# Altium PCB SD²V1.2.PcbDoc (continued)
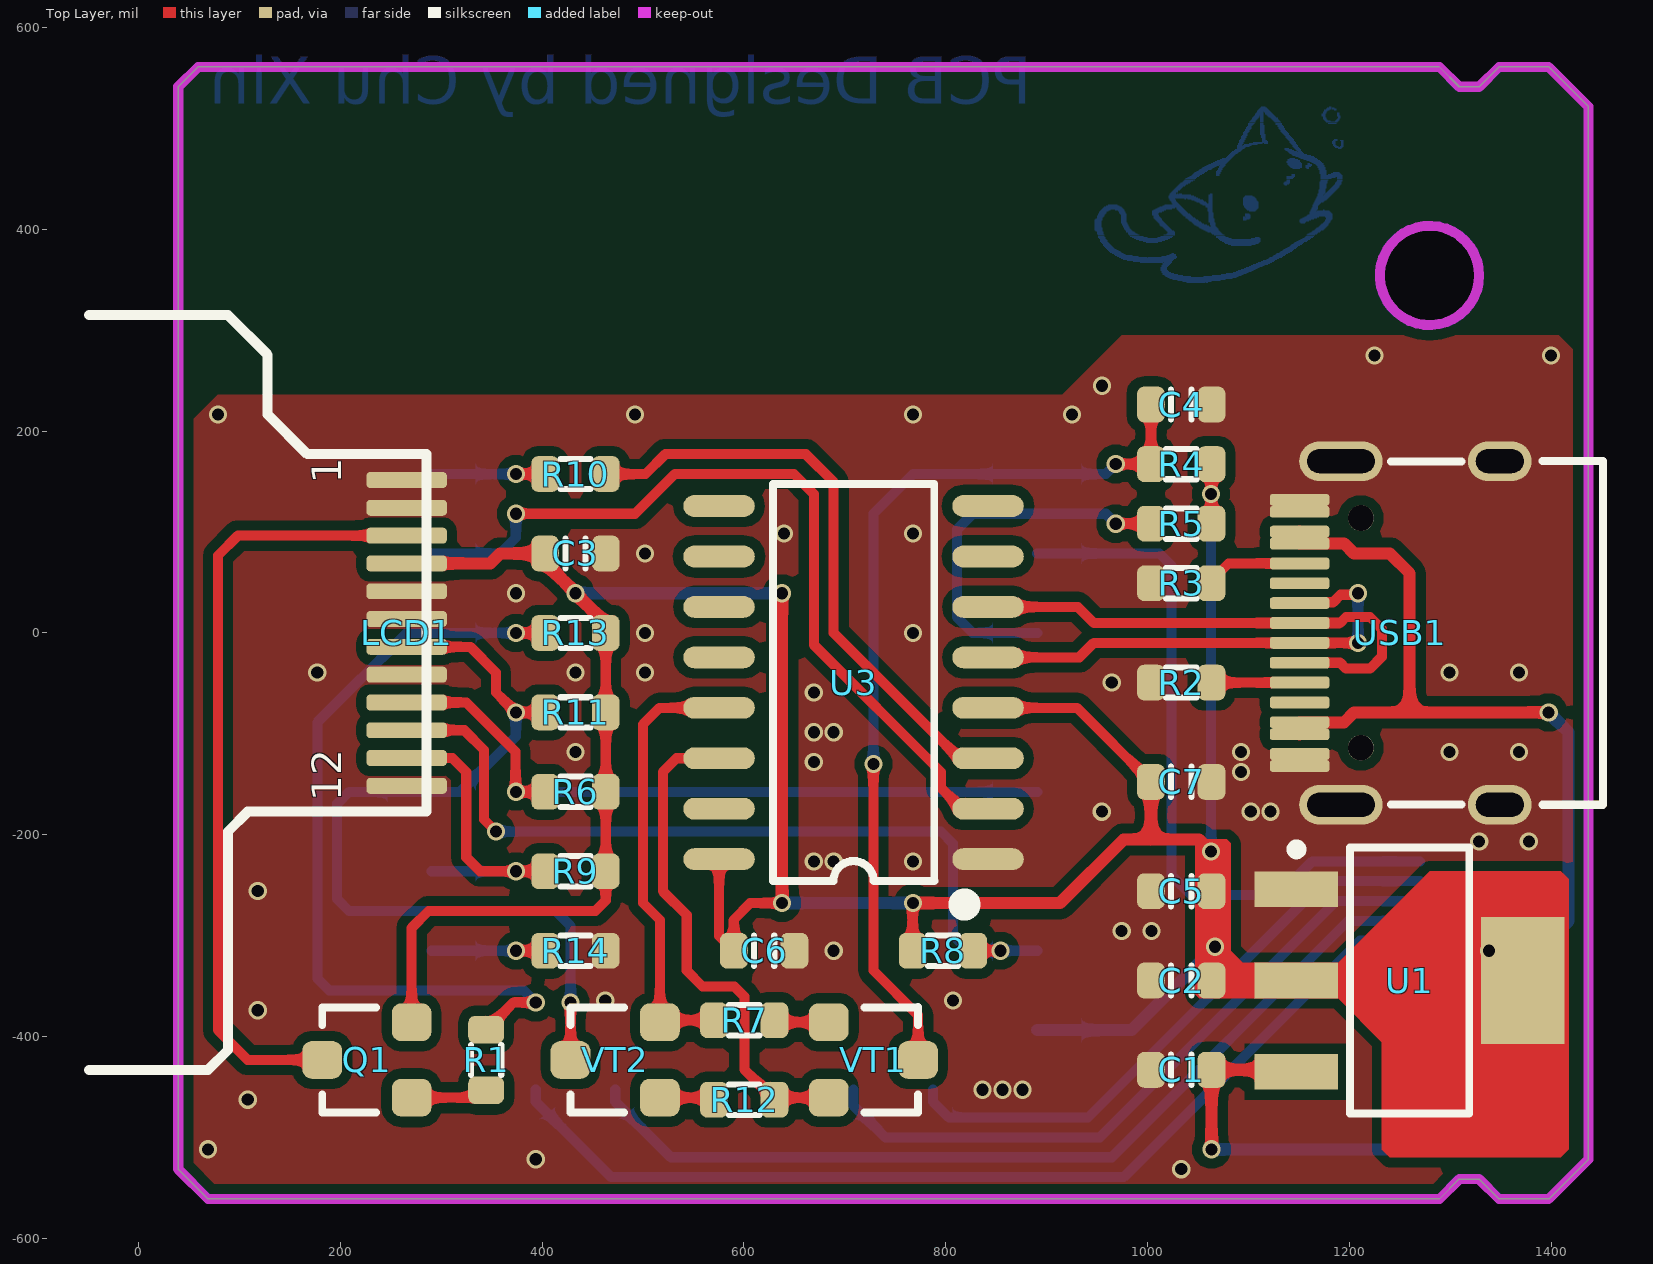
[diagram p0: Top Layer view]
## Nets (pads, with @x,y where several pads share a name; then routed paths per layer and width w, separated by ;. In a path a pad name is that pad's centre, name@x,y a point inside that pad or via, vN(x,y) a via of type N, cw(c..) or ccw(c..) an arc to the next point about the centre after c; other vN are vias at no path point) (continued)
TXD: R10.2 U2.22 | length 112.7
  Top Layer w10: v1(374.02,157.48) R10.2
  Bottom Layer w10: U2.22 v1(374.02,157.48)
USB_D+: U3.5 USB1.A6 USB1.B6 | length 483.8
  Top Layer w10: U3.5 932.48,-24.21 946.85,-9.84 USB1.A6 v1(1208.66,-9.84) ; USB1.B6 1151.69,30.43 1183.98,30.43 1191.38,37.84 1207.13,37.84 v1(1208.66,39.37)
  Bottom Layer w10: v1(1208.66,-9.84) v1(1208.66,39.37)
USB_D-: U3.6 USB1.A7 USB1.B7 | length 520.7
  Top Layer w10: U3.6 930.91,25.79 946.85,9.84 1190.94,9.84 1196.85,15.75 1220.47,15.75 1232.28,3.94 1232.28,-23.62 1220.47,-35.43 1196.85,-35.43 1190.94,-29.53 USB1.B7
VDD_5V: C1.2 P1.1 U1.3 USB1.A4 USB1.A9 USB1.B4 USB1.B9 | length 1480.2
  Top Layer w12: v1(1063.46,-511.81) C1.2 1145.67,-433.07 U1.3 ; USB1.A4 USB1.B9 1194.88,-88.58 1204.72,-78.74 1259.84,-78.74 ; USB1.A9 USB1.B4 1194.88,88.58 1204.72,78.74 1240.16,78.74 1259.84,59.06 1259.84,-78.74 ; v1(1397.64,-78.74) 1259.84,-78.74
  Bottom Layer w10: P1.1 1338.58,-364.17
  Bottom Layer w12: v1(1063.46,-511.81) 1279.53,-511.81 1338.58,-452.76 1338.58,-364.17 1417.32,-285.43 1417.32,-98.43 v1(1397.64,-78.74)
pads on no net: U3.7 U3.8 U3.9 U3.10 U3.11 U3.12 U3.15 USB1.0 USB1.A8 USB1.B8
copper on no net: | length 5808
  Bottom Layer w1: 947.96,399.41 954.96,399.41 ; 947.96,400.41 954.96,400.41 ; 947.96,401.41 954.96,401.41 ; 947.96,402.41 953.96,402.41 ; 947.96,403.41 953.96,403.41 ; 947.96,404.41 953.96,404.41 ; 947.96,405.41 953.96,405.41 ; 947.96,406.41 953.96,406.41 ; 947.96,407.41 953.96,407.41 ; 947.96,408.41 953.96,408.41 ; 947.96,409.41 954.96,409.41 ; 948.96,398.41 954.96,398.41 ; 948.96,410.41 954.96,410.41 ; 949.96,395.41 955.96,395.41 ; 949.96,396.41 955.96,396.41 ; 949.96,397.41 955.96,397.41 ; 949.96,411.41 954.96,411.41 ; 949.96,412.41 955.96,412.41 ; 949.96,413.41 956.96,413.41 ; 950.96,392.41 957.96,392.41 ; 950.96,393.41 956.96,393.41 ; 950.96,394.41 956.96,394.41 ; 950.96,414.41 956.96,414.41 ; 950.96,415.41 957.96,415.41 ; 951.96,391.41 957.96,391.41 ; 951.96,416.41 958.96,416.41 ; 951.96,417.41 958.96,417.41 ; 952.96,388.41 959.96,388.41 ; 952.96,389.41 959.96,389.41 ; 952.96,390.41 958.96,390.41 ; 952.96,418.41 960.96,418.41 ; 953.96,387.41 960.96,387.41 ; 953.96,419.41 962.96,419.41 ; 954.96,386.41 961.96,386.41 ; 954.96,420.41 975.96,420.41 ; 955.96,384.41 963.96,384.41 ; 955.96,385.41 962.96,385.41 ; 955.96,421.41 974.96,421.41 ; 956.96,383.41 964.96,383.41 ; 956.96,422.41 973.96,422.41 ; 957.96,382.41 965.96,382.41 ; 958.96,381.41 966.96,381.41 ; 958.96,423.41 971.96,423.41 ; 959.96,380.41 968.96,380.41 ; 960.96,379.41 970.96,379.41 ; 960.96,424.41 969.96,424.41 ; 961.96,378.41 972.96,378.41 ; 962.96,377.41 973.96,377.41 ; 964.96,376.41 975.96,376.41 ; 966.96,375.41 977.96,375.41 ; 967.96,374.41 984.96,374.41 ; 967.96,419.41 976.96,419.41 ; 969.96,373.41 990.96,373.41 ; 970.96,418.41 976.96,418.41 ; 971.96,372.41 999.96,372.41 ; 971.96,416.41 977.96,416.41 ; 971.96,417.41 977.96,417.41 ; 972.96,415.41 978.96,415.41 ; 973.96,371.41 1027.96,371.41 ; 973.96,406.41 979.96,406.41 ; 973.96,407.41 978.96,407.41 ; 973.96,408.41 978.96,408.41 ; 973.96,409.41 978.96,409.41 ; 973.96,410.41 978.96,410.41 ; 973.96,411.41 978.96,411.41 ; 973.96,412.41 978.96,412.41 ; 973.96,413.41 978.96,413.41 ; 973.96,414.41 978.96,414.41 ; 974.96,404.41 980.96,404.41 ; 974.96,405.41 979.96,405.41 ; 975.96,370.41 1025.96,370.41 ; 975.96,402.41 981.96,402.41 ; 975.96,403.41 980.96,403.41 ; 976.96,400.41 982.96,400.41 ; 976.96,401.41 981.96,401.41 ; 977.96,399.41 983.96,399.41 ; 978.96,397.41 986.96,397.41 ; 978.96,398.41 984.96,398.41 ; 979.96,369.41 1024.96,369.41 ; 980.96,395.41 989.96,395.41 ; 980.96,396.41 987.96,396.41 ; 981.96,394.41 991.96,394.41 ; 982.96,393.41 995.96,393.41 ; 984.96,392.41 999.96,392.41 ; 985.96,368.41 1023.96,368.41 ; 986.96,391.41 1021.96,391.41 ; 988.96,390.41 1019.96,390.41 ; 991.96,389.41 1016.96,389.41 ; 992.96,367.41 1014.96,367.41 ; 995.96,388.41 1013.96,388.41 ; 998.96,387.41 1009.96,387.41 ; 1000.96,372.41 1028.96,372.41 ; 1004.96,414.41 1010.96,414.41 ; 1004.96,415.41 1009.96,415.41 ; 1004.96,416.41 1010.96,416.41 ; 1004.96,417.41 1013.96,417.41 ; 1004.96,418.41 1015.96,418.41 ; 1005.96,411.41 1012.96,411.41 ; 1005.96,412.41 1011.96,412.41 ; 1005.96,413.41 1010.96,413.41 ; 1005.96,419.41 1017.96,419.41 ; 1006.96,410.41 1013.96,410.41 ; 1007.96,409.41 1013.96,409.41 ; 1007.96,420.41 1023.96,420.41 ; 1008.96,408.41 1014.96,408.41 ; 1009.96,392.41 1023.96,392.41 ; 1009.96,407.41 1015.96,407.41 ; 1009.96,421.41 1026.96,421.41 ; 1010.96,406.41 1016.96,406.41 ; 1011.96,404.41 1018.96,404.41 ; 1011.96,405.41 1017.96,405.41 ; 1011.96,422.41 1033.96,422.41 ; 1012.96,359.41 1019.96,359.41 ; 1012.96,360.41 1018.96,360.41 ; 1012.96,361.41 1018.96,361.41 ; 1012.96,362.41 1018.96,362.41 ; 1012.96,393.41 1024.96,393.41 ; 1012.96,403.41 1019.96,403.41 ; 1013.96,357.41 1022.96,357.41 ; 1013.96,358.41 1020.96,358.41 ; 1013.96,363.41 1019.96,363.41 ; 1013.96,364.41 1020.96,364.41 ; 1013.96,373.41 1028.96,373.41 ; 1014.96,355.41 1029.96,355.41 ; 1014.96,356.41 1025.96,356.41 ; 1014.96,365.41 1021.96,365.41 ; 1014.96,366.41 1022.96,366.41 ; 1014.96,402.41 1020.96,402.41 ; 1014.96,423.41 1032.96,423.41 ; 1015.96,367.41 1023.96,367.41 ; 1015.96,394.41 1026.96,394.41 ; 1015.96,401.41 1021.96,401.41 ; 1016.96,354.41 1034.96,354.41 ; 1016.96,400.41 1022.96,400.41 ; 1016.96,424.41 1031.96,424.41 ; 1017.96,353.41 1042.96,353.41 ; 1017.96,399.41 1023.96,399.41 ; 1018.96,374.41 1027.96,374.41 ; 1018.96,395.41 1026.96,395.41 ; 1018.96,398.41 1025.96,398.41 ; 1019.96,352.41 1087.96,352.41 ; 1019.96,396.41 1026.96,396.41 ; 1019.96,397.41 1026.96,397.41 ; 1020.96,431.41 1049.96,431.41 ; 1020.96,432.41 1047.96,432.41 ; 1020.96,433.41 1045.96,433.41 ; 1021.96,351.41 1083.96,351.41 ; 1021.96,375.41 1027.96,375.41 ; 1021.96,429.41 1027.96,429.41 ; 1021.96,430.41 1026.96,430.41 ; 1021.96,434.41 1042.96,434.41 ; 1021.96,435.41 1027.96,435.41 ; 1022.96,428.41 1027.96,428.41 ; 1022.96,436.41 1027.96,436.41 ; 1023.96,376.41 1025.96,376.41 ; 1023.96,426.41 1029.96,426.41 ; 1023.96,427.41 1028.96,427.41 ; 1023.96,437.41 1029.96,437.41 ; 1024.96,350.41 1076.96,350.41 ; 1024.96,425.41 1030.96,425.41 ; 1024.96,438.41 1029.96,438.41 ; 1025.96,439.41 1031.96,439.41 ; 1026.96,440.41 1032.96,440.41 ; 1027.96,441.41 1033.96,441.41 ; 1028.96,420.41 1035.96,420.41 ; 1028.96,421.41 1034.96,421.41 ; 1028.96,435.41 1029.96,435.41 ; 1028.96,442.41 1034.96,442.41 ; 1029.96,349.41 1071.96,349.41 ; 1029.96,419.41 1036.96,419.41 ; 1029.96,443.41 1036.96,443.41 ; 1030.96,418.41 1037.96,418.41 ; 1030.96,435.41 1033.96,435.41 ; 1030.96,444.41 1037.96,444.41 ; 1031.96,417.41 1038.96,417.41 ; 1031.96,445.41 1039.96,445.41 ; 1032.96,416.41 1039.96,416.41 ; 1032.96,446.41 1041.96,446.41 ; 1033.96,415.41 1041.96,415.41 ; 1034.96,348.41 1062.96,348.41 ; 1034.96,414.41 1042.96,414.41 ; 1034.96,447.41 1042.96,447.41 ; 1035.96,413.41 1043.96,413.41 ; 1035.96,448.41 1044.96,448.41 ; 1036.96,430.41 1037.96,430.41 ; 1036.96,449.41 1046.96,449.41 ; 1037.96,411.41 1046.96,411.41 ; 1037.96,412.41 1044.96,412.41 ; 1037.96,450.41 1047.96,450.41 ; 1038.96,347.41 1056.96,347.41 ; 1039.96,410.41 1047.96,410.41 ; 1039.96,430.41 1051.96,430.41 ; 1039.96,451.41 1048.96,451.41 ; 1040.96,409.41 1049.96,409.41 ; 1041.96,408.41 1050.96,408.41 ; 1041.96,452.41 1050.96,452.41 ; 1043.96,407.41 1052.96,407.41 ; 1043.96,429.41 1054.96,429.41 ; 1043.96,453.41 1051.96,453.41 ; 1044.96,406.41 1053.96,406.41 ; 1044.96,454.41 1053.96,454.41 ; 1045.96,405.41 1055.96,405.41 ; 1045.96,455.41 1055.96,455.41 ; 1046.96,404.41 1058.96,404.41 ; 1046.96,428.41 1055.96,428.41 ; 1046.96,456.41 1056.96,456.41 ; 1048.96,403.41 1060.96,403.41 ; 1048.96,427.41 1057.96,427.41 ; 1048.96,457.41 1058.96,457.41 ; 1050.96,402.41 1067.96,402.41 ; 1050.96,458.41 1059.96,458.41 ; 1051.96,401.41 1068.96,401.41 ; 1051.96,426.41 1058.96,426.41 ; 1051.96,459.41 1062.96,459.41 ; 1052.96,425.41 1063.96,425.41 ; 1053.96,400.41 1069.96,400.41 ; 1053.96,460.41 1063.96,460.41 ; 1054.96,424.41 1063.96,424.41 ; 1054.96,461.41 1065.96,461.41 ; 1055.96,353.41 1089.96,353.41 ; 1055.96,399.41 1069.96,399.41 ; 1056.96,462.41 1067.96,462.41 ; 1057.96,347.41 1059.96,347.41 ; 1057.96,398.41 1070.96,398.41 ; 1057.96,422.41 1063.96,422.41 ; 1057.96,423.41 1063.96,423.41 ; 1058.96,463.41 1070.96,463.41 ; 1059.96,397.41 1071.96,397.41 ; 1059.96,418.41 1063.96,418.41 ; 1059.96,419.41 1063.96,419.41 ; 1059.96,420.41 1063.96,420.41 ; 1059.96,421.41 1063.96,421.41 ; 1060.96,407.41 1065.96,407.41 ; 1060.96,408.41 1065.96,408.41 ; 1060.96,409.41 1065.96,409.41 ; 1060.96,410.41 1065.96,410.41 ; 1060.96,411.41 1064.96,411.41 ; 1060.96,412.41 1064.96,412.41 ; 1060.96,413.41 1064.96,413.41 ; 1060.96,414.41 1064.96,414.41 ; 1060.96,415.41 1064.96,415.41 ; 1060.96,416.41 1064.96,416.41 ; 1060.96,417.41 1063.96,417.41 ; 1060.96,426.41 1063.96,426.41 ; 1060.96,427.41 1063.96,427.41 ; 1060.96,428.41 1063.96,428.41 ; 1060.96,429.41 1063.96,429.41 ; 1060.96,430.41 1063.96,430.41 ; 1060.96,431.41 1063.96,431.41 ; 1060.96,432.41 1063.96,432.41 ; 1060.96,433.41 1063.96,433.41 ; 1060.96,434.41 1063.96,434.41 ; 1060.96,464.41 1076.96,464.41 ; 1061.96,404.41 1066.96,404.41 ; 1061.96,405.41 1066.96,405.41 ; 1061.96,406.41 1066.96,406.41 ; 1061.96,435.41 1063.96,435.41 ; 1062.96,396.41 1072.96,396.41 ; 1062.96,403.41 1066.96,403.41 ; 1062.96,465.41 1077.96,465.41 ; 1063.96,354.41 1092.96,354.41 ; 1063.96,395.41 1073.96,395.41 ; 1064.96,466.41 1078.96,466.41 ; 1065.96,394.41 1075.96,394.41 ; 1066.96,467.41 1079.96,467.41 ; 1067.96,392.41 1079.96,392.41 ; 1067.96,393.41 1076.96,393.41 ; 1067.96,453.41 1070.96,453.41 ; 1067.96,454.41 1070.96,454.41 ; 1067.96,455.41 1071.96,455.41 ; 1067.96,456.41 1071.96,456.41 ; 1067.96,457.41 1072.96,457.41 ; 1068.96,458.41 1072.96,458.41 ; 1068.96,468.41 1080.96,468.41 ; 1069.96,391.41 1082.96,391.41 ; 1069.96,459.41 1073.96,459.41 ; 1069.96,460.41 1073.96,460.41 ; 1070.96,390.41 1111.96,390.41 ; 1070.96,461.41 1074.96,461.41 ; 1070.96,462.41 1075.96,462.41 ; 1071.96,389.41 1111.96,389.41 ; 1071.96,463.41 1076.96,463.41 ; 1071.96,469.41 1081.96,469.41 ; 1072.96,355.41 1094.96,355.41 ; 1073.96,388.41 1111.96,388.41 ; 1073.96,470.41 1082.96,470.41 ; 1075.96,387.41 1110.96,387.41 ; 1076.96,386.41 1109.96,386.41 ; 1077.96,356.41 1097.96,356.41 ; 1077.96,471.41 1083.96,471.41 ; 1078.96,472.41 1084.96,472.41 ; 1079.96,385.41 1106.96,385.41 ; 1079.96,473.41 1085.96,473.41 ; 1080.96,474.41 1086.96,474.41 ; 1081.96,475.41 1088.96,475.41 ; 1082.96,384.41 1102.96,384.41 ; 1082.96,476.41 1089.96,476.41 ; 1083.96,477.41 1091.96,477.41 ; 1084.96,357.41 1099.96,357.41 ; 1085.96,478.41 1092.96,478.41 ; 1086.96,479.41 1093.96,479.41 ; 1087.96,358.41 1102.96,358.41 ; 1088.96,480.41 1095.96,480.41 ; 1088.96,481.41 1096.96,481.41 ; 1088.96,482.41 1100.96,482.41 ; 1088.96,483.41 1093.96,483.41 ; 1089.96,359.41 1104.96,359.41 ; 1089.96,484.41 1093.96,484.41 ; 1089.96,485.41 1094.96,485.41 ; 1090.96,486.41 1094.96,486.41 ; 1090.96,487.41 1095.96,487.41 ; 1090.96,488.41 1095.96,488.41 ; 1091.96,489.41 1096.96,489.41 ; 1092.96,360.41 1106.96,360.41 ; 1092.96,490.41 1096.96,490.41 ; 1092.96,491.41 1097.96,491.41 ; 1092.96,492.41 1097.96,492.41 ; 1093.96,493.41 1098.96,493.41 ; 1094.96,409.41 1097.96,409.41 ; 1094.96,410.41 1100.96,410.41 ; 1094.96,411.41 1101.96,411.41 ; 1094.96,412.41 1096.96,412.41 ; 1094.96,424.41 1109.96,424.41 ; 1094.96,425.41 1109.96,425.41 ; 1094.96,426.41 1109.96,426.41 ; 1094.96,427.41 1109.96,427.41 ; 1094.96,428.41 1108.96,428.41 ; 1094.96,429.41 1107.96,429.41 ; 1094.96,430.41 1107.96,430.41 ; 1094.96,431.41 1106.96,431.41 ; 1094.96,483.41 1102.96,483.41 ; 1094.96,494.41 1098.96,494.41 ; 1094.96,495.41 1098.96,495.41 ; 1094.96,496.41 1099.96,496.41 ; 1095.96,361.41 1108.96,361.41 ; 1095.96,422.41 1109.96,422.41 ; 1095.96,423.41 1109.96,423.41 ; 1095.96,432.41 1105.96,432.41 ; 1095.96,484.41 1108.96,484.41 ; 1095.96,497.41 1100.96,497.41 ; 1096.96,413.41 1101.96,413.41 ; 1096.96,414.41 1101.96,414.41 ; 1096.96,415.41 1100.96,415.41 ; 1096.96,421.41 1109.96,421.41 ; 1096.96,433.41 1103.96,433.41 ; 1096.96,498.41 1100.96,498.41 ; 1096.96,499.41 1101.96,499.41 ; 1097.96,362.41 1110.96,362.41 ; 1097.96,412.41 1101.96,412.41 ; 1097.96,420.41 1108.96,420.41 ; 1097.96,500.41 1102.96,500.41 ; 1097.96,501.41 1102.96,501.41 ; 1098.96,419.41 1107.96,419.41 ; 1098.96,502.41 1102.96,502.41 ; 1099.96,503.41 1103.96,503.41 ; 1099.96,504.41 1104.96,504.41 ; 1099.96,505.41 1105.96,505.41 ; 1100.96,363.41 1113.96,363.41 ; 1100.96,418.41 1106.96,418.41 ; 1100.96,485.41 1113.96,485.41 ; 1100.96,506.41 1106.96,506.41 ; 1101.96,507.41 1106.96,507.41 ; 1102.96,364.41 1115.96,364.41 ; 1102.96,391.41 1111.96,391.41 ; 1102.96,508.41 1107.96,508.41 ; 1103.96,509.41 1108.96,509.41 ; 1103.96,510.41 1109.96,510.41 ; 1104.96,365.41 1118.96,365.41 ; 1104.96,486.41 1118.96,486.41 ; 1104.96,511.41 1110.96,511.41 ; 1105.96,512.41 1110.96,512.41 ; 1106.96,392.41 1110.96,392.41 ; 1106.96,513.41 1114.96,513.41 ; 1106.96,514.41 1114.96,514.41 ; 1107.96,366.41 1120.96,366.41 ; 1107.96,515.41 1114.96,515.41 ; 1108.96,516.41 1114.96,516.41 ; 1108.96,517.41 1120.96,517.41 ; 1109.96,367.41 1122.96,367.41 ; 1109.96,518.41 1119.96,518.41 ; 1110.96,519.41 1118.96,519.41 ; 1111.96,494.41 1116.96,494.41 ; 1111.96,495.41 1115.96,495.41 ; 1111.96,496.41 1115.96,496.41 ; 1111.96,497.41 1115.96,497.41 ; 1111.96,498.41 1115.96,498.41 ; 1111.96,499.41 1115.96,499.41 ; 1111.96,500.41 1115.96,500.41 ; 1111.96,501.41 1115.96,501.41 ; 1111.96,502.41 1115.96,502.41 ; 1111.96,503.41 1115.96,503.41 ; 1111.96,504.41 1114.96,504.41 ; 1111.96,505.41 1114.96,505.41 ; 1111.96,506.41 1114.96,506.41 ; 1111.96,507.41 1114.96,507.41 ; 1111.96,508.41 1114.96,508.41 ; 1111.96,509.41 1114.96,509.41 ; 1111.96,510.41 1114.96,510.41 ; 1111.96,511.41 1114.96,511.41 ; 1111.96,512.41 1114.96,512.41 ; 1111.96,520.41 1117.96,520.41 ; 1112.96,368.41 1124.96,368.41 ; 1112.96,491.41 1116.96,491.41 ; 1112.96,492.41 1116.96,492.41 ; 1112.96,493.41 1116.96,493.41 ; 1112.96,521.41 1116.96,521.41 ; 1113.96,487.41 1118.96,487.41 ; 1113.96,488.41 1117.96,488.41 ; 1113.96,489.41 1116.96,489.41 ; 1113.96,490.41 1116.96,490.41 ; 1114.96,369.41 1125.96,369.41 ; 1115.96,485.41 1118.96,485.41 ; 1115.96,516.41 1121.96,516.41 ; 1116.96,514.41 1123.96,514.41 ; 1116.96,515.41 1122.96,515.41 ; 1117.96,370.41 1127.96,370.41 ; 1117.96,513.41 1124.96,513.41 ; 1118.96,512.41 1125.96,512.41 ; 1119.96,371.41 1129.96,371.41 ; 1119.96,511.41 1126.96,511.41 ; 1120.96,372.41 1132.96,372.41 ; 1121.96,510.41 1128.96,510.41 ; 1122.96,509.41 1128.96,509.41 ; 1123.96,373.41 1133.96,373.41 ; 1123.96,508.41 1129.96,508.41 ; 1124.96,374.41 1135.96,374.41 ; 1124.96,507.41 1130.96,507.41 ; 1125.96,506.41 1131.96,506.41 ; 1126.96,375.41 1136.96,375.41 ; 1126.96,504.41 1132.96,504.41 ; 1126.96,505.41 1132.96,505.41 ; 1127.96,376.41 1138.96,376.41 ; 1128.96,502.41 1134.96,502.41 ; 1128.96,503.41 1133.96,503.41 ; 1129.96,500.41 1135.96,500.41 ; 1129.96,501.41 1134.96,501.41 ; 1130.96,377.41 1140.96,377.41 ; 1130.96,499.41 1135.96,499.41 ; 1131.96,378.41 1142.96,378.41 ; 1131.96,497.41 1137.96,497.41 ; 1131.96,498.41 1136.96,498.41 ; 1132.96,496.41 1138.96,496.41 ; 1133.96,379.41 1143.96,379.41 ; 1133.96,495.41 1139.96,495.41 ; 1134.96,380.41 1144.96,380.41 ; 1134.96,445.41 1139.96,445.41 ; 1134.96,446.41 1140.96,446.41 ; 1134.96,494.41 1139.96,494.41 ; 1135.96,444.41 1137.96,444.41 ; 1135.96,447.41 1140.96,447.41 ; 1135.96,479.41 1142.96,479.41 ; 1135.96,480.41 1139.96,480.41 ; 1135.96,493.41 1140.96,493.41 ; 1136.96,381.41 1146.96,381.41 ; 1136.96,478.41 1144.96,478.41 ; 1136.96,491.41 1142.96,491.41 ; 1136.96,492.41 1141.96,492.41 ; 1137.96,448.41 1140.96,448.41 ; 1137.96,449.41 1140.96,449.41 ; 1137.96,450.41 1143.96,450.41 ; 1137.96,451.41 1144.96,451.41 ; 1137.96,452.41 1145.96,452.41 ; 1137.96,466.41 1151.96,466.41 ; 1137.96,467.41 1150.96,467.41 ; 1137.96,490.41 1143.96,490.41 ; 1138.96,382.41 1147.96,382.41 ; 1138.96,464.41 1152.96,464.41 ; 1138.96,465.41 1152.96,465.41 ; 1138.96,468.41 1150.96,468.41 ; 1138.96,469.41 1148.96,469.41 ; 1138.96,477.41 1147.96,477.41 ; 1138.96,489.41 1144.96,489.41 ; 1139.96,463.41 1152.96,463.41 ; 1139.96,476.41 1153.96,476.41 ; 1139.96,488.41 1144.96,488.41 ; 1140.96,383.41 1148.96,383.41 ; 1140.96,462.41 1152.96,462.41 ; 1140.96,470.41 1145.96,470.41 ; 1140.96,475.41 1154.96,475.41 ; 1140.96,486.41 1146.96,486.41 ; 1140.96,487.41 1145.96,487.41 ; 1141.96,384.41 1150.96,384.41 ; 1141.96,461.41 1152.96,461.41 ; 1141.96,485.41 1146.96,485.41 ; 1142.96,385.41 1152.96,385.41 ; 1142.96,453.41 1145.96,453.41 ; 1142.96,454.41 1145.96,454.41 ; 1142.96,474.41 1157.96,474.41 ; 1142.96,484.41 1147.96,484.41 ; 1143.96,460.41 1150.96,460.41 ; 1143.96,473.41 1161.96,473.41 ; 1143.96,482.41 1148.96,482.41 ; 1143.96,483.41 1148.96,483.41 ; 1144.96,386.41 1153.96,386.41 ; 1144.96,481.41 1149.96,481.41 ; 1145.96,387.41 1154.96,387.41 ; 1145.96,480.41 1150.96,480.41 ; 1146.96,472.41 1164.96,472.41 ; 1146.96,479.41 1151.96,479.41 ; 1147.96,388.41 1157.96,388.41 ; 1147.96,478.41 1151.96,478.41 ; 1148.96,477.41 1152.96,477.41 ; 1149.96,389.41 1158.96,389.41 ; 1149.96,471.41 1165.96,471.41 ; 1150.96,407.41 1156.96,407.41 ; 1150.96,408.41 1159.96,408.41 ; 1150.96,409.41 1161.96,409.41 ; 1151.96,390.41 1160.96,390.41 ; 1151.96,406.41 1155.96,406.41 ; 1151.96,410.41 1164.96,410.41 ; 1151.96,470.41 1167.96,470.41 ; 1153.96,391.41 1161.96,391.41 ; 1153.96,411.41 1167.96,411.41 ; 1154.96,469.41 1168.96,469.41 ; 1155.96,392.41 1163.96,392.41 ; 1155.96,412.41 1169.96,412.41 ; 1156.96,393.41 1164.96,393.41 ; 1156.96,461.41 1159.96,461.41 ; 1156.96,462.41 1161.96,462.41 ; 1156.96,463.41 1162.96,463.41 ; 1157.96,394.41 1165.96,394.41 ; 1157.96,413.41 1182.96,413.41 ; 1157.96,460.41 1159.96,460.41 ; 1157.96,468.41 1170.96,468.41 ; 1158.96,395.41 1167.96,395.41 ; 1158.96,414.41 1182.96,414.41 ; 1158.96,464.41 1162.96,464.41 ; 1158.96,465.41 1160.96,465.41 ; 1160.96,396.41 1168.96,396.41 ; 1160.96,415.41 1182.96,415.41 ; 1160.96,416.41 1181.96,416.41 ; 1160.96,417.41 1180.96,417.41 ; 1160.96,467.41 1171.96,467.41 ; 1161.96,418.41 1166.96,418.41 ; 1161.96,419.41 1167.96,419.41 ; 1162.96,397.41 1170.96,397.41 ; 1162.96,420.41 1168.96,420.41 ; 1162.96,421.41 1168.96,421.41 ; 1162.96,466.41 1172.96,466.41 ; 1163.96,398.41 1171.96,398.41 ; 1163.96,422.41 1168.96,422.41 ; 1163.96,423.41 1168.96,423.41 ; 1163.96,424.41 1169.96,424.41 ; 1164.96,425.41 1170.96,425.41 ; 1164.96,426.41 1171.96,426.41 ; 1164.96,465.41 1173.96,465.41 ; 1165.96,399.41 1173.96,399.41 ; 1165.96,427.41 1173.96,427.41 ; 1165.96,428.41 1174.96,428.41 ; 1166.96,400.41 1174.96,400.41 ; 1166.96,429.41 1176.96,429.41 ; 1166.96,430.41 1177.96,430.41 ; 1166.96,464.41 1173.96,464.41 ; 1167.96,401.41 1175.96,401.41 ; 1167.96,418.41 1179.96,418.41 ; 1167.96,431.41 1178.96,431.41 ; 1167.96,432.41 1179.96,432.41 ; 1167.96,463.41 1174.96,463.41 ; 1168.96,433.41 1180.96,433.41 ; 1168.96,434.41 1173.96,434.41 ; 1168.96,435.41 1174.96,435.41 ; 1168.96,461.41 1175.96,461.41 ; 1168.96,462.41 1174.96,462.41 ; 1169.96,402.41 1176.96,402.41 ; 1169.96,436.41 1175.96,436.41 ; 1169.96,437.41 1175.96,437.41 ; 1169.96,438.41 1175.96,438.41 ; 1169.96,439.41 1175.96,439.41 ; 1169.96,459.41 1175.96,459.41 ; 1169.96,460.41 1175.96,460.41 ; 1170.96,403.41 1177.96,403.41 ; 1170.96,440.41 1175.96,440.41 ; 1170.96,441.41 1176.96,441.41 ; 1170.96,442.41 1176.96,442.41 ; 1170.96,443.41 1176.96,443.41 ; 1170.96,444.41 1176.96,444.41 ; 1170.96,445.41 1176.96,445.41 ; 1170.96,446.41 1177.96,446.41 ; 1170.96,447.41 1177.96,447.41 ; 1170.96,455.41 1176.96,455.41 ; 1170.96,456.41 1176.96,456.41 ; 1170.96,457.41 1176.96,457.41 ; 1170.96,458.41 1176.96,458.41 ; 1171.96,404.41 1178.96,404.41 ; 1171.96,448.41 1177.96,448.41 ; 1171.96,449.41 1178.96,449.41 ; 1171.96,450.41 1181.96,450.41 ; 1171.96,451.41 1185.96,451.41 ; 1171.96,452.41 1192.96,452.41 ; 1171.96,453.41 1192.96,453.41 ; 1171.96,454.41 1176.96,454.41 ; 1172.96,405.41 1178.96,405.41 ; 1172.96,512.41 1175.96,512.41 ; 1172.96,513.41 1175.96,513.41 ; 1172.96,514.41 1175.96,514.41 ; 1173.96,406.41 1179.96,406.41 ; 1173.96,419.41 1174.96,419.41 ; 1173.96,509.41 1176.96,509.41 ; 1173.96,510.41 1176.96,510.41 ; 1173.96,511.41 1175.96,511.41 ; 1173.96,515.41 1176.96,515.41 ; 1173.96,516.41 1176.96,516.41 ; 1174.96,407.41 1180.96,407.41 ; 1174.96,434.41 1181.96,434.41 ; 1174.96,508.41 1177.96,508.41 ; 1174.96,517.41 1177.96,517.41 ; 1174.96,518.41 1179.96,518.41 ; 1175.96,408.41 1180.96,408.41 ; 1175.96,409.41 1181.96,409.41 ; 1175.96,412.41 1182.96,412.41 ; 1175.96,435.41 1182.96,435.41 ; 1175.96,507.41 1180.96,507.41 ; 1176.96,410.41 1182.96,410.41 ; 1176.96,411.41 1182.96,411.41 ; 1176.96,436.41 1183.96,436.41 ; 1176.96,506.41 1187.96,506.41 ; 1176.96,519.41 1181.96,519.41 ; 1177.96,437.41 1184.96,437.41 ; 1177.96,520.41 1181.96,520.41 ; 1178.96,438.41 1185.96,438.41 ; 1178.96,454.41 1191.96,454.41 ; 1178.96,505.41 1186.96,505.41 ; 1179.96,439.41 1186.96,439.41 ; 1179.96,521.41 1181.96,521.41 ; 1180.96,440.41 1187.96,440.41 ; 1181.96,441.41 1188.96,441.41 ; 1181.96,455.41 1190.96,455.41 ; 1182.96,442.41 1189.96,442.41 ; 1182.96,485.41 1185.96,485.41 ; 1182.96,486.41 1185.96,486.41 ; 1182.96,487.41 1185.96,487.41 ; 1182.96,519.41 1186.96,519.41 ; 1182.96,520.41 1184.96,520.41 ; 1183.96,443.41 1189.96,443.41 ; 1183.96,456.41 1189.96,456.41 ; 1183.96,483.41 1186.96,483.41 ; 1183.96,484.41 1185.96,484.41 ; 1183.96,488.41 1187.96,488.41 ; 1184.96,444.41 1190.96,444.41 ; 1184.96,482.41 1188.96,482.41 ; 1184.96,489.41 1187.96,489.41 ; 1184.96,518.41 1186.96,518.41 ; 1185.96,445.41 1191.96,445.41 ; 1185.96,446.41 1191.96,446.41 ; 1185.96,481.41 1192.96,481.41 ; 1185.96,507.41 1188.96,507.41 ; 1186.96,447.41 1191.96,447.41 ; 1186.96,508.41 1189.96,508.41 ; 1187.96,448.41 1192.96,448.41 ; 1187.96,449.41 1192.96,449.41 ; 1187.96,450.41 1192.96,450.41 ; 1187.96,451.41 1192.96,451.41 ; 1187.96,509.41 1189.96,509.41 ; 1187.96,512.41 1190.96,512.41 ; 1187.96,513.41 1189.96,513.41 ; 1187.96,514.41 1189.96,514.41 ; 1187.96,515.41 1189.96,515.41 ; 1188.96,480.41 1191.96,480.41 ; 1188.96,510.41 1190.96,510.41 ; 1188.96,511.41 1190.96,511.41 ; 1190.96,482.41 1193.96,482.41 ; 1190.96,488.41 1193.96,488.41 ; 1191.96,483.41 1193.96,483.41 ; 1191.96,484.41 1193.96,484.41 ; 1191.96,485.41 1193.96,485.41 ; 1191.96,486.41 1193.96,486.41 ; 1191.96,487.41 1193.96,487.41

## Polygon pours and split planes (outlines as drawn)
GND on Top Layer "GND_L01_P000" (solid, remove dead copper, pour order 0): 39.37,196.85 78.74,236.22 915.35,236.22 974.41,295.28 1407.48,295.28 1437.01,265.75 1437.01,-521.65 1397.64,-561.02 68.9,-561.02 39.37,-531.5 39.37,-423.23
GND on Bottom Layer "GND_L02_P001" (solid, remove dead copper, pour order 1): 68.9,-561.02 39.37,-531.5 39.37,196.85 78.74,236.22 915.35,236.22 1003.94,324.8 1407.48,324.8 1437.01,295.28 1437.01,-521.65 1397.64,-561.02

## Keep-outs
Keep-Out Layer:
  circle w10: c1279.53,354.33 r49.21
  lines w10: 39.37,-531.5 68.9,-561.02 1289.37,-561.02 1309.06,-541.34 1328.74,-541.34 1348.43,-561.02 1397.64,-561.02 1437.01,-521.65 1437.01,521.65 1397.64,561.02 1348.43,561.02 1328.74,541.34 1309.06,541.34 1289.37,561.02 59.06,561.02 39.37,541.34 39.37,-531.5

## Other copper
Top Layer:
  region net 3V3: 1047.24,-208.66 1051.18,-204.72 1078.74,-204.72 1082.68,-208.66 1082.68,-314.96 1094.49,-326.77 1188.98,-326.77 1279.53,-236.22 1409.45,-236.22 1417.32,-244.09 1417.32,-511.81 1409.45,-519.68 1240.16,-519.68 1232.28,-511.81 1232.28,-405.51 1188.98,-362.2 1051.18,-362.2 1047.24,-358.27
Bottom Layer:
  text "PCB Designed by Chu Xin" at 885.29,509.04 h80

## Silkscreen, mask and mechanical layers (free items; w line width, h text height)
Bottom Overlay:
  text "JLCJLCJLCJLC" at 779.75,167.8 h60
Top Solder:
  region: 246.06,561.02 246.06,265.75 265.75,246.06 915.35,246.06 935.04,265.75 935.04,561.02
Bottom Solder:
  drawing of 1076 lines, arcs and shapes, not listed
  text "SD²" at 80,50 h150 r270
  text "V1.2" at 157.5,-15 h40 r270
  text "初心工作室" at 82,-280.77 h60 r270
Mechanical 1:
  circle w10: c1279.53,354.33 r49.21
  lines w10: 39.37,-531.5 39.37,541.34 59.06,561.02 1289.37,561.02 1309.06,541.34 1328.74,541.34 1348.43,561.02 1397.64,561.02 1437.01,521.65 1437.01,-521.65 1397.64,-561.02 1348.43,-561.02 1328.74,-541.34 1309.06,-541.34 1289.37,-561.02 68.9,-561.02 39.37,-531.5
Mechanical 15:
  lines w10: -39.37,0 1545.28,0

## Text inside footprints (layer, text, board x,y; h text height)
LCD1: Top Overlay "1" at 210.94,147.65 h50 r90; Top Overlay "12" at 210.94,-166.92 h50 r90